# Altium PCB Version_2.PcbDoc (part 2 of 6)
Units mil, origin at the board's own origin, x right, y up, seen from the top; angles counter-clockwise.
Board outline 6692.91 x 6692.91 mil, 4 copper layers (Component Side, Ground Plane, Power, Solder Side), stack 33.234 mil thick; 798 components, 528 nets, 2533 pads, 836 vias.
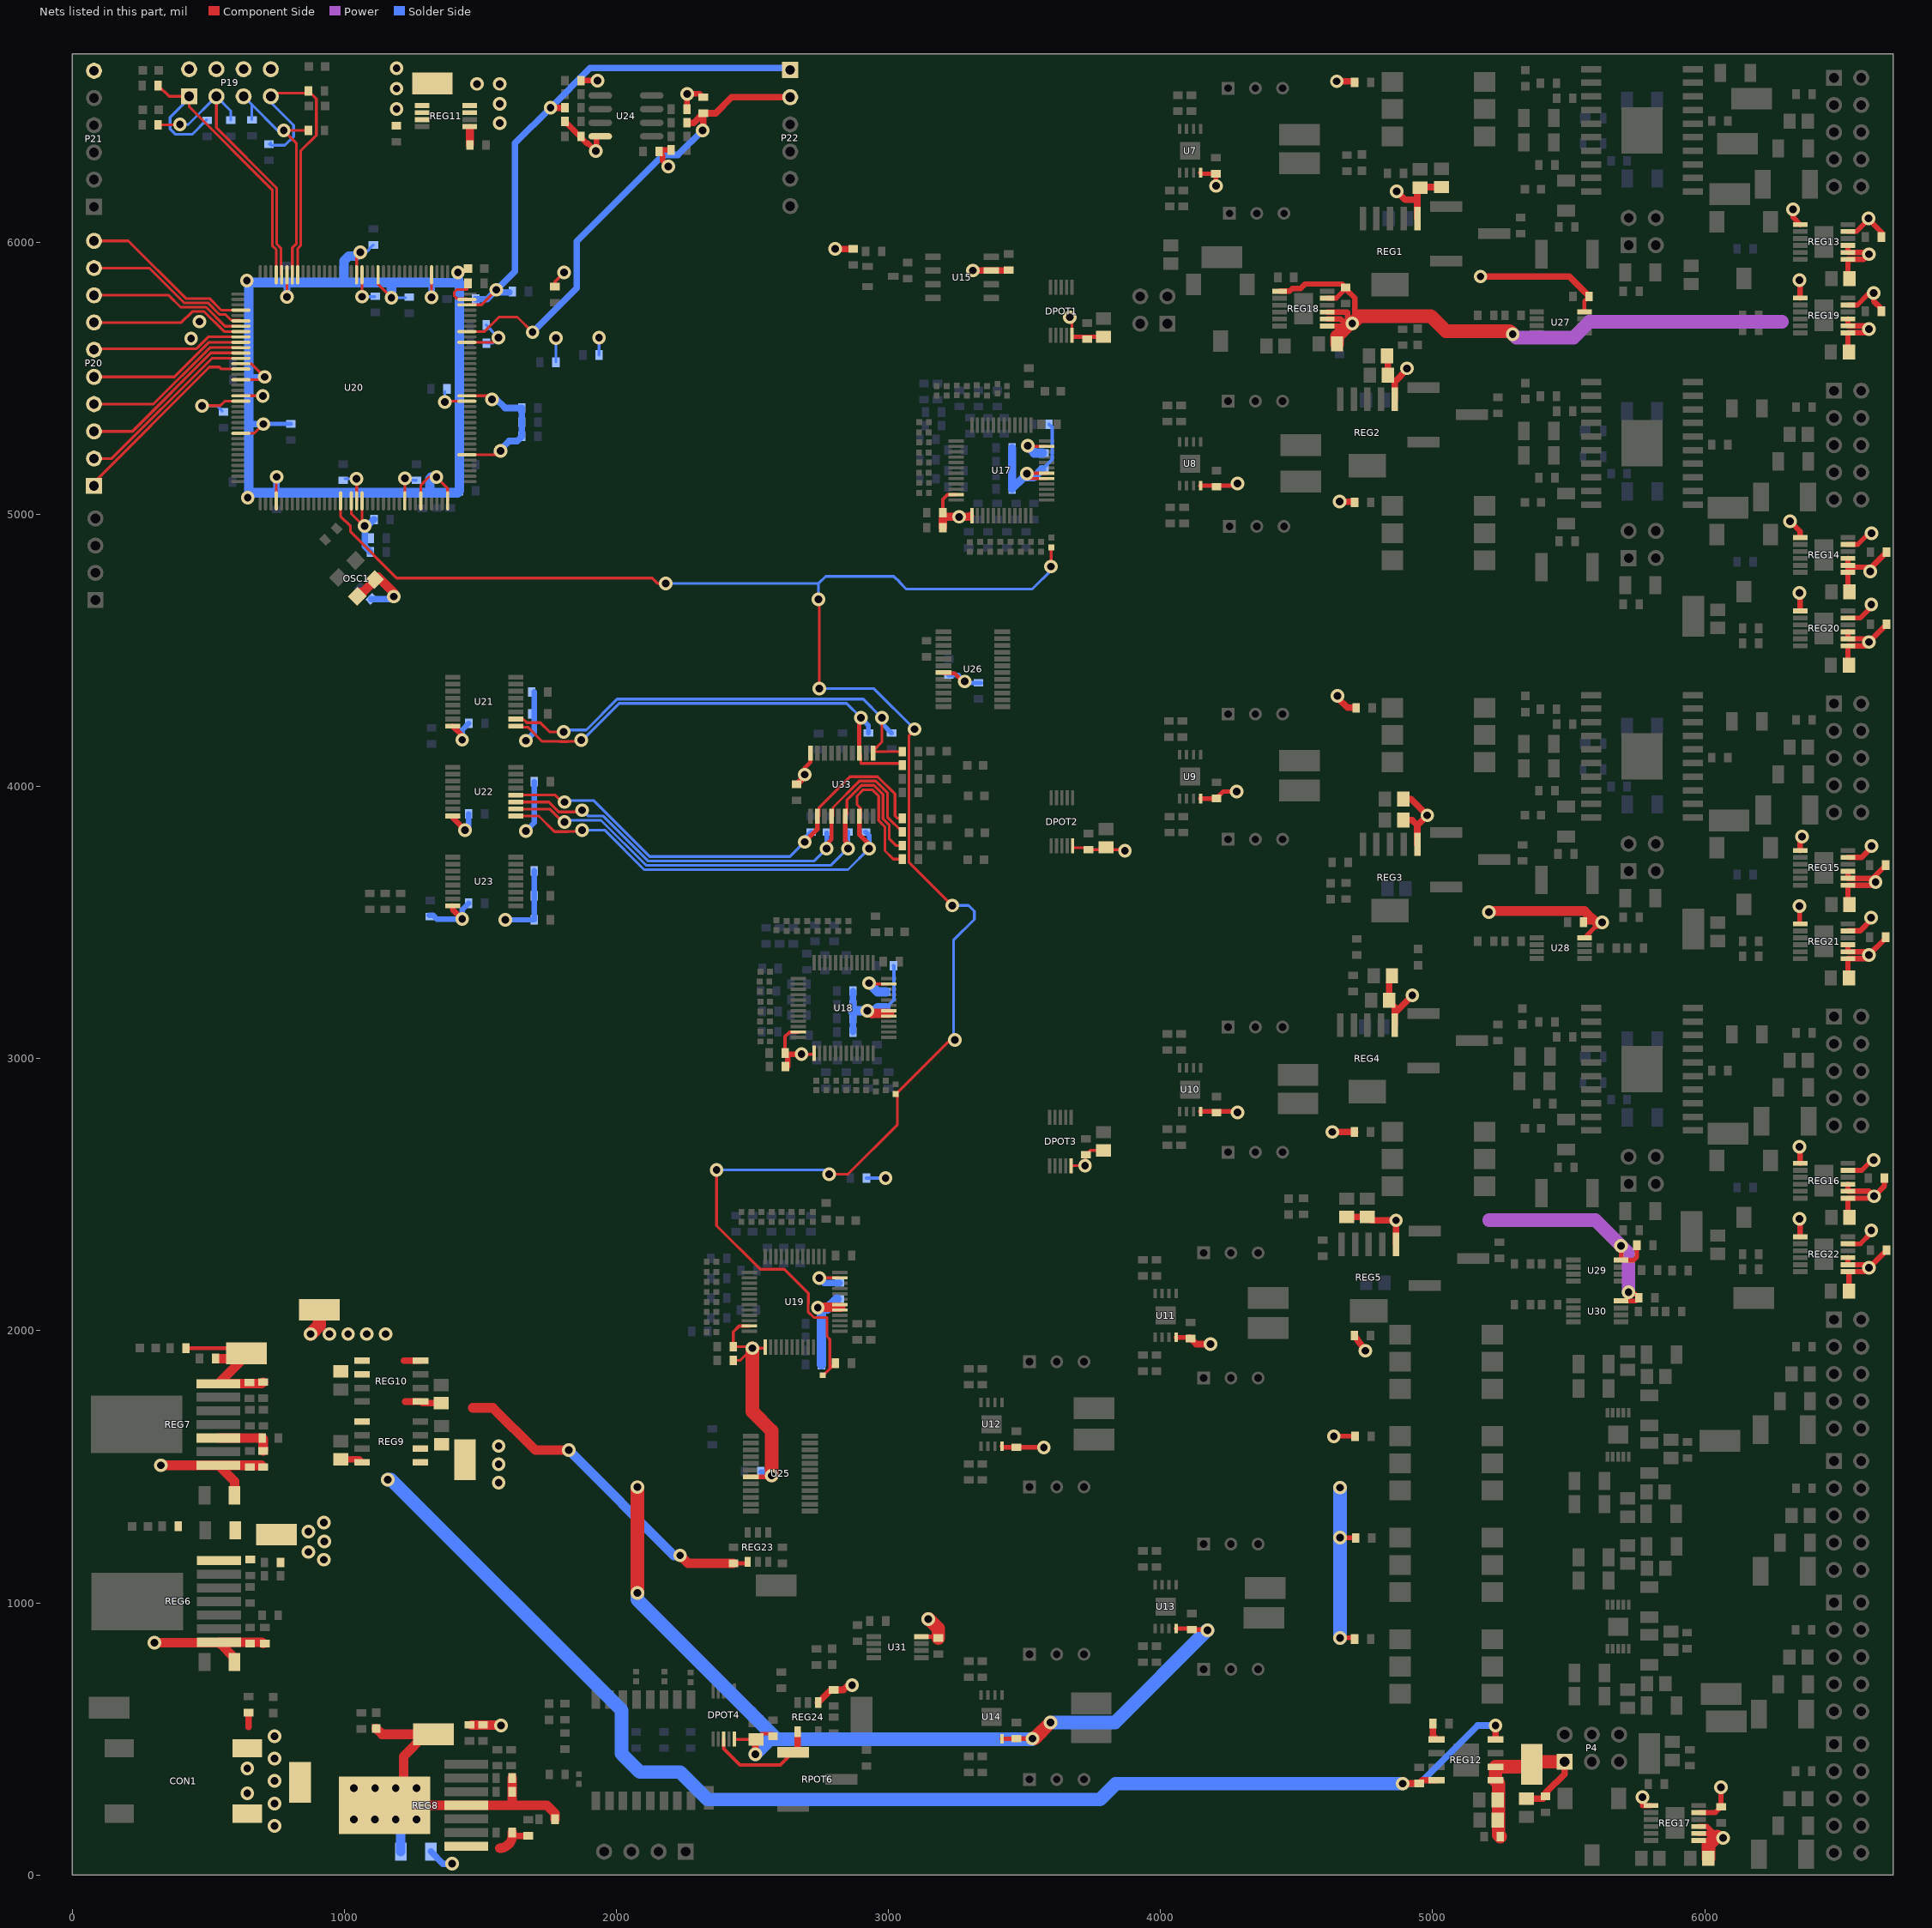
[diagram p4: the nets of this part, all layers, seen from the top]

## Footprints (in the part's own frame and the unit in brackets; to place one, negate y for a bottom-side part, rotate by r counter-clockwise, add the part's x,y. Pads: shape width x height; smd on the part's side, far side on the other; paste and mask are expansions set on the pad) (continued)
LMZ14203_NDW [mm]
  rect 4.1x0.85 smd: 1(-7.625,3.81) 2(-7.625,2.54) 3(-7.625,1.27) 4(-7.625,0) 5(-7.625,-1.27) 6(-7.625,-2.54) 7(-7.625,-3.81)
  rect 8.54x5.35 smd: 8(0,0)
  silkscreen extent -7.75,-5.2 5.17,5.2, body extent -5.05,-5.2 5.05,5.2, height 4.82
LP3879_SOIC8 [mm]
  rect 1.5x0.6 smd: 1(-2.75,1.905) 2(-2.75,0.635) 3(-2.75,-0.635) 4(-2.75,-1.905) 5(2.75,-1.905) 6(2.75,-0.635) 7(2.75,0.635) 8(2.75,1.905)
  rect 2.41x3.1 smd: 9(0,0)
  silkscreen extent -2.87,-2.5 1.6,2.88, body extent -2,-2.5 2,2.5, height 1.68
LT1790_TSOT6 [mm]
  rect 0.95x0.55 smd: 1(-1.375,0.95) 2(-1.375,0) 3(-1.375,-0.95) 4(1.375,-0.95) 5(1.375,0) 6(1.375,0.95)
  silkscreen extent -1.5,-1.45 0.5,1.9, body extent -0.9,-1.45 0.9,1.45, height 1
LT1936A_S8 [mm]
  rect 1.45x0.6 smd: 1(-2.725,1.905) 2(-2.725,0.635) 3(-2.725,-0.635) 4(-2.725,-1.905) 5(2.725,-1.905) 6(2.725,-0.635) 7(2.725,0.635) 8(2.725,1.905)
  silkscreen extent -2.85,-2.5 1.6,2.88, body extent -2,-2.5 2,2.5, height 1.76
LT3020_MS8 [mm]
  rect 1.35x0.475 smd: 1(-2.225,0.975) 2(-2.225,0.325) 3(-2.225,-0.325) 4(-2.225,-0.975) 5(2.225,-0.975) 6(2.225,-0.325) 7(2.225,0.325) 8(2.225,0.975)
  silkscreen extent -2.35,-1.55 1.15,1.9, body extent -1.55,-1.55 1.55,1.55, height 1.1
LT3090_MSOP12 [mm]
  rect 1.35x0.46 smd: 1(-2.225,1.625) 2(-2.225,0.975) 3(-2.225,0.325) 4(-2.225,-0.325) 5(-2.225,-0.975) 6(-2.225,-1.625) 7(2.225,-1.625) 8(2.225,-0.975) 9(2.225,-0.325) 10(2.225,0.325) 11(2.225,0.975) 12(2.225,1.625)
  rect 1.76x2.95 smd: 13(0,0)
  silkscreen extent -2.35,-2.05 1.15,2.55, body extent -1.55,-2.05 1.55,2.05, height 1.1
LTC6269_MSOP8 [mil] "MSOP, 8-Leads, Body 3.00x3.00mm, Pitch 0.65mm, Thermal Pad 1.88x1.68mm, IPC Medium Density"
  rect 35x12.5 smd: 1(-80.49,38.39) 2(-80.49,12.8) 3(-80.49,-12.8) 4(-80.49,-38.39) 5(80.49,-38.39) 6(80.49,-12.8) 7(80.49,12.8) 8(80.49,38.39)
  rect 66.14x74.02 smd: 9(0,0)
  silkscreen extent -85,-59 45,73, body extent -59,-59 59,59, height 43
MAX11625_24SSOP [mm]
  rect 1.5x0.45 smd: 1(-2.75,3.492) 2(-2.75,2.857) 3(-2.75,2.222) 4(-2.75,1.587) 5(-2.75,0.952) 6(-2.75,0.317) 7(-2.75,-0.318) 8(-2.75,-0.953) 9(-2.75,-1.588) 10(-2.75,-2.223) 11(-2.75,-2.858) 12(-2.75,-3.493) 13(2.75,-3.493) 14(2.75,-2.858) 15(2.75,-2.223) 16(2.75,-1.588) 17(2.75,-0.953) 18(2.75,-0.318) 19(2.75,0.317) 20(2.75,0.952) 21(2.75,1.587) 22(2.75,2.222) 23(2.75,2.857) 24(2.75,3.492)
  silkscreen extent -2.88,-4.35 1.6,4.39, body extent -2,-4.35 2,4.35, height 1.75
MC74HC595A_TSSOP16 [mm]
  rect 1.4x0.45 smd: 1(-2.95,2.275) 2(-2.95,1.625) 3(-2.95,0.975) 4(-2.95,0.325) 5(-2.95,-0.325) 6(-2.95,-0.975) 7(-2.95,-1.625) 8(-2.95,-2.275) 9(2.95,-2.275) 10(2.95,-1.625) 11(2.95,-0.975) 12(2.95,-0.325) 13(2.95,0.325) 14(2.95,0.975) 15(2.95,1.625) 16(2.95,2.275)
  silkscreen extent -3.08,-2.55 1.85,3.17, body extent -2.25,-2.55 2.25,2.55, height 1.2
MIC4468_SOIC16 [mm]
  rect 1.75x0.8 smd: 1(-4.725,4.445) 2(-4.725,3.175) 3(-4.725,1.905) 4(-4.725,0.635) 5(-4.725,-0.635) 6(-4.725,-1.905) 7(-4.725,-3.175) 8(-4.725,-4.445) 9(4.725,-4.445) 10(4.725,-3.175) 11(4.725,-1.905) 12(4.725,-0.635) 13(4.725,0.635) 14(4.725,1.905) 15(4.725,3.175) 16(4.725,4.445)
  silkscreen extent -4.85,-5.2 3.45,5.52, body extent -3.75,-5.2 3.75,5.2, height 2.62
MIC5235_SOT23_5 [mm]
  rect 1x0.6 smd: 1(-1.35,0.95) 2(-1.35,0) 3(-1.35,-0.95) 4(1.35,-0.95) 5(1.35,0.95)
  silkscreen extent -1.47,-1.5 0.45,1.93, body extent -0.85,-1.5 0.85,1.5, height 1.45
MIC7122_MSOP8 [mm]
  rect 1.35x0.487 smd: 1(-2.225,0.975) 2(-2.225,0.325) 3(-2.225,-0.325) 4(-2.225,-0.975) 5(2.225,-0.975) 6(2.225,-0.325) 7(2.225,0.325) 8(2.225,0.975)
  silkscreen extent -2.35,-1.55 1.15,1.9, body extent -1.55,-1.55 1.55,1.55, height 0.9
MICT-MN-8_N [mm] "SOIC, 8-Leads, Body 5x4mm, Pitch 1.27mm, IPC Medium Density"
  oval 2.2x0.6 smd: 1(-2.4,1.905) 2(-2.4,0.635) 3(-2.4,-0.635) 4(-2.4,-1.905) 5(2.4,-1.905) 6(2.4,-0.635) 7(2.4,0.635) 8(2.4,1.905)
  silkscreen extent -2.53,-2.5 0.9,2.88, body extent -2,-2.5 2,2.5, height 0.1
OP193_SOIC8 [mm]
  rect 1.45x0.6 smd: 1(-2.725,1.905) 2(-2.725,0.635) 3(-2.725,-0.635) 4(-2.725,-1.905) 5(2.725,-1.905) 6(2.725,-0.635) 7(2.725,0.635) 8(2.725,1.905)
  silkscreen extent -2.85,-2.5 1.6,2.88, body extent -2,-2.5 2,2.5, height 1.75
OPA564_HSOP20_BOTTOM [mm] "SOIC, 20-Leads, Body 12.82x7.52mm, Pitch 1.27mm, Thermal Pad 4.32x3.81mm, IPC Medium Density"
  rect 1.9x0.6 smd: 1(-4.75,5.715) 2(-4.75,4.445) 3(-4.75,3.175) 4(-4.75,1.905) 5(-4.75,0.635) 6(-4.75,-0.635) 7(-4.75,-1.905) 8(-4.75,-3.175) 9(-4.75,-4.445) 10(-4.75,-5.715) 11(4.75,-5.715) 12(4.75,-4.445) 13(4.75,-3.175) 14(4.75,-1.905) 15(4.75,-0.635) 16(4.75,0.635) 17(4.75,1.905) 18(4.75,3.175) 19(4.75,4.445) 20(4.75,5.715)
  rect 3.81x4.32 smd: 21(0,0)
  silkscreen extent -4.87,-6.5 3.4,6.69, body extent -3.8,-6.5 3.8,6.5, height 2.65
POT_ST5ETW [mm]
  rect 1.4x2 smd: 1(-2.5,-2.65) 2(0,2.65) 3(2.5,-2.65)
  silkscreen extent -3.66,-2.3 3.15,2.3
R0402 [mm]
  rect 0.55x0.55 smd: 1(-0.45,0) 2(0.45,0)
  body extent -0.53,-0.27 0.53,0.28, height 0.37
RES_0805 [mm]
  rect 1.15x1.4 smd: 1(-0.85,0) 2(0.85,0)
  body extent -1.08,-0.7 1.07,0.7, height 0.65
RES_1206 [mm] "Chip Resistor, 2-Leads, Body 3.10x1.60mm, IPC Medium Density"
  rect 1.1x1.7 smd: 1(-1.4,0) 2(1.4,0)
  silkscreen extent -0.45,-0.75 0.45,0.75, body extent -1.6,-0.85 1.6,0.85, height 0.65
RES_2010 [mm] "Chip Resistor, Body 1.6x0.8mm, IPC High Density"
  rect 1.5x2.7 smd: 1(-2.2,0) 2(2.2,0)
  silkscreen extent -1.05,-1.25 1.05,1.25, body extent -2.6,-1.35 2.6,1.35, height 0.7
SMS3922_SOT143 [mm] "SOT143, 4-Leads, Body 2.92x2.37mm, Pitch 1.90mm, IPC Medium Density"
  rect 1x1 smd: 1(-1.2,0.75)
  rect 1x0.6 smd: 2(-1.2,-0.95) 3(1.2,-0.95) 4(1.2,0.95)
  silkscreen extent -1.25,-1.5 0.7,1.6, body extent -0.7,-1.52 0.7,1.52, height 1.2
SN74LV244A_TSOP20 [mm]
  rect 1.4x0.45 smd: 1(-2.95,2.925) 2(-2.95,2.275) 3(-2.95,1.625) 4(-2.95,0.975) 5(-2.95,0.325) 6(-2.95,-0.325) 7(-2.95,-0.975) 8(-2.95,-1.625) 9(-2.95,-2.275) 10(-2.95,-2.925) 11(2.95,-2.925) 12(2.95,-2.275) 13(2.95,-1.625) 14(2.95,-0.975) 15(2.95,-0.325) 16(2.95,0.325) 17(2.95,0.975) 18(2.95,1.625) 19(2.95,2.275) 20(2.95,2.925)
  silkscreen extent -3.07,-3.3 1.85,3.82, body extent -2.25,-3.3 2.25,3.3, height 1.2
TestPoint [mm]
  rect 3.8x2.03 smd: 1(0,0.025)
THS4226_10SOP [mil] "TSSOP, 10-Leads, Body 3.00x3.00mm, Pitch 0.50mm, Thermal Pad 1.88x1.68mm, IPC Medium Density"
  rect 35x13.6 smd: 1(-80.49,39.37) 2(-80.49,19.69) 3(-80.49,0) 4(-80.49,-19.68) 5(-80.49,-39.37) 6(80.49,-39.37) 7(80.49,-19.68) 8(80.49,0) 9(80.49,19.69) 10(80.49,39.37)
  rect 66.14x74.02 smd: 11(0,0)
  silkscreen extent -85,-59 45,74, body extent -61,-61 61,61, height 43
TPS73801_DCQ6 [mm]
  rect 0.6x2.2 smd: 1(-2.54,-2.959) 2(-1.27,-2.959) 3(0,-2.959) 4(1.27,-2.959) 5(2.54,-2.959)
  rect 3.5x2.2 smd: 6(0,3.241)
  silkscreen extent -3.28,-1.78 3.28,1.78
TQG144_N [mm] "Thin QFP, 144-Leads, Body 20x20mm, Pitch 0.5mm, IPC Medium Density"
  oval 1.8x0.3 smd: 1(-10.55,8.75) 2(-10.55,8.25) 3(-10.55,7.75) 4(-10.55,7.25) 5(-10.55,6.75) 6(-10.55,6.25) 7(-10.55,5.75) 8(-10.55,5.25) 9(-10.55,4.75) 10(-10.55,4.25) 11(-10.55,3.75) 12(-10.55,3.25) 13(-10.55,2.75) 14(-10.55,2.25) 15(-10.55,1.75) 16(-10.55,1.25) 17(-10.55,0.75) 18(-10.55,0.25) 19(-10.55,-0.25) 20(-10.55,-0.75) 21(-10.55,-1.25) 22(-10.55,-1.75) 23(-10.55,-2.25) 24(-10.55,-2.75) 25(-10.55,-3.25) 26(-10.55,-3.75) 27(-10.55,-4.25) 28(-10.55,-4.75) 29(-10.55,-5.25) 30(-10.55,-5.75) 31(-10.55,-6.25) 32(-10.55,-6.75) 33(-10.55,-7.25) 34(-10.55,-7.75) 35(-10.55,-8.25) 36(-10.55,-8.75) 73(10.55,-8.75) 74(10.55,-8.25) 75(10.55,-7.75) 76(10.55,-7.25) 77(10.55,-6.75) 78(10.55,-6.25) 79(10.55,-5.75) 80(10.55,-5.25) 81(10.55,-4.75) 82(10.55,-4.25) 83(10.55,-3.75) 84(10.55,-3.25) 85(10.55,-2.75) 86(10.55,-2.25) 87(10.55,-1.75) 88(10.55,-1.25) 89(10.55,-0.75) 90(10.55,-0.25) 91(10.55,0.25) 92(10.55,0.75) 93(10.55,1.25) 94(10.55,1.75) 95(10.55,2.25) 96(10.55,2.75) 97(10.55,3.25) 98(10.55,3.75) 99(10.55,4.25) 100(10.55,4.75) 101(10.55,5.25) 102(10.55,5.75) 103(10.55,6.25) 104(10.55,6.75) 105(10.55,7.25) 106(10.55,7.75) 107(10.55,8.25) 108(10.55,8.75)
  oval 0.3x1.8 smd: 37(-8.75,-10.55) 38(-8.25,-10.55) 39(-7.75,-10.55) 40(-7.25,-10.55) 41(-6.75,-10.55) 42(-6.25,-10.55) 43(-5.75,-10.55) 44(-5.25,-10.55) 45(-4.75,-10.55) 46(-4.25,-10.55) 47(-3.75,-10.55) 48(-3.25,-10.55) 49(-2.75,-10.55) 50(-2.25,-10.55) 51(-1.75,-10.55) 52(-1.25,-10.55) 53(-0.75,-10.55) 54(-0.25,-10.55) 55(0.25,-10.55) 56(0.75,-10.55) 57(1.25,-10.55) 58(1.75,-10.55) 59(2.25,-10.55) 60(2.75,-10.55) 61(3.25,-10.55) 62(3.75,-10.55) 63(4.25,-10.55) 64(4.75,-10.55) 65(5.25,-10.55) 66(5.75,-10.55) 67(6.25,-10.55) 68(6.75,-10.55) 69(7.25,-10.55) 70(7.75,-10.55) 71(8.25,-10.55) 72(8.75,-10.55) 109(8.75,10.55) 110(8.25,10.55) 111(7.75,10.55) 112(7.25,10.55) 113(6.75,10.55) 114(6.25,10.55) 115(5.75,10.55) 116(5.25,10.55) 117(4.75,10.55) 118(4.25,10.55) 119(3.75,10.55) 120(3.25,10.55) 121(2.75,10.55) 122(2.25,10.55) 123(1.75,10.55) 124(1.25,10.55) 125(0.75,10.55) 126(0.25,10.55) 127(-0.25,10.55) 128(-0.75,10.55) 129(-1.25,10.55) 130(-1.75,10.55) 131(-2.25,10.55) 132(-2.75,10.55) 133(-3.25,10.55) 134(-3.75,10.55) 135(-4.25,10.55) 136(-4.75,10.55) 137(-5.25,10.55) 138(-5.75,10.55) 139(-6.25,10.55) 140(-6.75,10.55) 141(-7.25,10.55) 142(-7.75,10.55) 143(-8.25,10.55) 144(-8.75,10.55)
  silkscreen extent -10.67,-9.25 9.25,9.57, body extent -10,-10 10,10, height 1.6
TS63Y_POT [mm]
  rect 3x1 smd: 1(2.25,-2.54) 2(-2.25,0) 3(2.25,2.54)
  silkscreen extent -2.5,-3.42 2.5,3.43
VR5 [mm] "Thru-Hole; 3 Leads"
  rect 1.2x1.2 hole 0.7: 1(-2.54,0)
  round 1.2 hole 0.7: 2(0,0) 3(2.54,0)
  silkscreen extent -5.08,-2.54 6.35,2.54
ZM4732A [mm]
  rect 1.15x2.65 smd: 1(-2.375,0) 2(2.375,0)
  silkscreen extent -1.4,-1.35 1.63,1.37, body extent -2.6,-1.3 2.6,1.3, height 2.6

## Part data
C1 C2 C3 C4 C5 C6 C7 C8 C9 C10 C11 C12 C13 C14 C15 C16 C17 C18 C19 C20 C21 C22 C23 C24 C25 C26 C27 C28 C29 C30 C31 C32 C33 C34 C35 C36 C37 C40 C41 C42 C43 C44 C45 C46 C47 C48 C49: library part "Cap Semi", "Capacitor (Semiconductor SIM Model)"
C38 C39 C50 C64 C65 C66 C67 C68 C69 C70 C71 C72 C73 C74 C75 C76 C77 C78 C79 C80 C82 C83 C84 C85 C86 C87 C88 C89 C90 C91 C92 C93 C94 C95 C96 C97 C98 C99 C100 C101 C102 C103 C104 C105 C106 C107 C108 C109 C110 C111 C112 C113 C114 C115 C116 C117 C118 C119 C120 C121 C122 C123 C124 C125 C126 C127 C128 C129 C130 C131 C132 C133 C134 C135 C136 C137 C138 C139 C140 C141 C142 C143 C144 C145 C146 C147 C151 C153 C154 C155 C156 C157 C158 C168 C169 C170: "Capacitor"
C51 C52 C53 C54 C55 C56 C57 C58 C59 C60 C61 C62 C63 C81 C148 C149 C150 C152 C159 C160 C161 C162 C163 C164 C165 C166 C167: "Capacitor (Semiconductor SIM Model)"
P4: "Header, 3-Pin, Dual row"
P5 P6 P7 P8 P17: "Header, 2-Pin, Dual row"
P9 P10 P11 P12 P13 P14 P15 P16: "Header, 5-Pin, Dual row"
P18 P23: library part "Header 4", "Header, 4-Pin"
P19: library part "Header 4X2", "Header, 4-Pin, Dual row"
P20: library part "Header 10", "Header, 10-Pin"
P21 P22: library part "Header 6", "Header, 6-Pin"
R1 R2 R3 R4 R5 R6 R7 R8 R9 R10 R11 R12 R13 R14 R15 R16 R17 R18 R19 R20 R21 R22 R23 R24 R25 R26 R27 R28 R29 R30 R31 R32 R33 R34 R35 R36 R37 R38 R39 R40 R41 R42 R43 R44 R45 R46 R47 R48 R49 R50 R51 R52 R53 R54 R55 R56 R57 R58 R59 R60 R61 R62 R63 R64 R65 R66 R67 R68 R69 R70 R71 R72 R73 R74 R75 R76 R77 R78 R79 R80 R81 R82 R83 R84 R85 R86 R87 R88 R89 R90 R91 R92 R93 R94 R95 R96 R97 R102 R103 R104 R105 R106 R107 R108 R109 R114 R115 R116 R117 R118 R119 R120 R121 R126 R127 R128 R129 R130 R131 R132 R133 R138 R139 R140 R141 R142 R143 R144 R145 R146 R147 R148 R149 R150 R151 R152 R153 R154 R155 R156 R157 R158 R159 R160 R161 R162 R163 R164 R165 R166 R167 R168 R169 R170 R171 R172 R173 R174 R175 R176 R177 R178 R179 R180 R181 R182 R183 R184 R185 R186 R187 R188 R189 R190 R191 R192 R193 R194 R195 R196 R197 R198 R199 R200 R201 R202 R203 R204 R205 R206 R207 R208 R209 R210 R211 R212 R213 R214 R215 R216 R217 R218 R219 R220 R221 R222 R223 R224 R225 R226 R227 R228 R229 R230 R231 R232 R233 R234 R235 R236 R237 R238 R239 R240 R241 R242 R243 R244 R245 R246 R247 R248 R249 R250 R251 R252 R253 R254 R255 R256 R257 R258 R259 R260 R261 R262 R263 R264 R265 R266 R267 R268 R269 R270 R271 R272 R274 R275 R276 R277 R278 R279 R280 R281 R282 R283 R284 R285 R286 R287 R288 R289 R290 R291 R292 R293 R294 R295 R296 R297 R298 R299 R300 R301 R302 R303 R304 R305 R306 R307 R308 R309 R310 R311 R312 R313 R314 R315 R316 R317 R318 R319 R320 R321 R322 R323 R324 R325 R326 R327 R328 R329 R330 R331 R332 R333 R334 R335 R336 R337 R338 R339 R340 R341 R342 R343 R344 R345 R346 R347 R348 R349 R350 R351 R352 R353 R354 R355 R356 R357 R358 R359 R360 R361 R362 R363 R364 R365 R366 R367 R368 R369 R371 R373 R375 R376 R377 R378 R379 R380 R381 R382 R383 R384 R385 R386 R387 R388 R389 R390 R391 R392 R393 R394 R395 R396 R397 R398 R399 R400 R401 R402 R403 R404 R405 R406 R407 R408 R409 R410 R411 R412 R413 R414 R415 R416 R417 R418 R419 R420 R421 R422 R423 R424 R425 R426 R427 R428 R429 R430 R431 R432 R433 R434 R435 R436 R437 R438 R439 R440 R441 R442 R443 R444: "Resistor"
R98 R99 R100 R101 R110 R111 R112 R113 R122 R123 R124 R125 R134 R135 R136 R137: "Potentiometer"
U20: "Spartan-6 LX 1.2V FPGA, 102 User I/Os, 144-Pin TQFP (0.5mm Pitch), Speed Grade 3, Commercial Grade, Pb-Free"
U24: "16 Mb (x1) Serial NOR Flash Memory, 75 MHz, 2.7 to 3.6 V, 8-pin SO8 Narrow (MN), Tube"

## Via types
v1: diameter 50, hole 28, Component Side to Solder Side, 831 vias
v2: diameter 50/50/50 (per signal layer), hole 28, Component Side to Solder Side, 4 vias
v3: diameter 37.4, hole 19.68, Component Side to Solder Side, 1 vias

## Nets (pads, with @x,y where several pads share a name; then routed paths per layer and width w, separated by ;. In a path a pad name is that pad's centre, name@x,y a point inside that pad or via, vN(x,y) a via of type N, cw(c..) or ccw(c..) an arc to the next point about the centre after c; other vN are vias at no path point)
5V: C101.1 C104.1 C107.1 C109.1 C113.1 C140.1 R323.1 R325.2 REG7.7 REG9.5 REG9.8 REG10.5 REG10.8 REG12.4 REG12.8 REG23.4 TP5.1 | length 7068
  Component Side w15: R323.1@418.31,1936.03 TP5.1@621.06,1936.03 ; C140.1@2430.24,1145.45 REG23.4@2477.44,1145.45
  Component Side w24: C107.1@987.36,1527.14 1054.25,1527.14 REG9.8@1065.08,1516.32 ; 1219.69,1889.54 REG10.8@1280.32,1889.54 ; 1223.07,1739.54 REG10.5@1280.32,1739.54 ; REG10.5@1286.42,1733.44 C109.1@1356.38,1733.44 ; v1(4889.76,335.63) 4890.57,336.43 C113.1@4950.24,336.43 4961.46,347.65 REG12.4@5014.61,347.65 ; REG12.8@5231.14,497.65 v1(5231.14,549.06)
  Component Side w35: 540.35,1896.65 TP5.1@619.09,1896.65 ; TP5.1@639.76,1917.32 639.76,1907.87 REG7.7@537.4,1805.51 696.26,1805.51 R325.2@701.77,1811.02 ; 1472.44,1716.54 1546.26,1716.54 1701.77,1561.02 1826.77,1561.02 v1@1826.7,1561.1 ; v1(1824.89,1561.1) v1@1826.7,1561.1 ; v1@1830.84,1561.1 v1@1826.7,1561.1 ; v1(2234.25,1174.21) 2263.01,1145.45 C140.1@2430.24,1145.45
  Solder Side w24: v1(4889.76,335.63) 4951.85,335.63 5165.28,549.06 v1(5231.14,549.06)
  Solder Side w35: v1(1824.89,1561.1) 2211.78,1174.21 v1(2234.25,1174.21)
  Solder Side w50: v1(1159.45,1452.76) 1171.29,1452.76 2019.41,604.63 2019.41,446.04 2024.12,441.33 2024.12,439.92 2086.08,377.95 2234.25,377.95 2334.86,277.34 3777.34,277.34 3835.63,335.63 v1(4889.76,335.63)
15V: C1.2 C2.2 C4.2 C5.2 C7.2 C8.2 C10.2 C11.2 C13.2 C14.2 C100.1 C103.1 C142.1 C143.1 C144.1 C145.1 C146.1 C147.1 R316.1 R324.2 REG1.1 REG2.1 REG3.1 REG4.1 REG5.1 REG6.7 REG24.1 TP4.1 U27.8 U28.8 U29.8 U30.8 U31.8 | length 3672.5
  Component Side w15: U27.8@5557.84,5744.35 5557.84,5784.03 C146.1@5574.77,5800.96
  Component Side w17: U31.8@3121.22,875.67 C145.1@3178.46,875.67 ; U28.8@5557.84,3444.35 5605.32,3491.83 v1@5605.32,3495.08 ; C142.1@5560.65,3495.08 5566.55,3500.98 v1(5623.03,3500.98) ; U30.8@5692.84,2109.35 5746.16,2109.35 C144.1@5757.87,2121.06 5722.59,2156.35 5719.77,2153.53 v1(5719.77,2141.84) ; v1(5692.84,2311.93) U29.8@5692.84,2259.35 5739.1,2259.35 5750.71,2270.96 C143.1@5750.71,2313.7
  Component Side w24: REG24.1@2741.14,632.87 C147.1@2788.39,680.12 ; C147.1@2798.23,680.12 2834.65,680.12 2852.4,697.87 v1(2866.28,697.87) ; C14.2@4684.06,2418.31 C13.2@4759.84,2418.31 4772.56,2405.59 v1(4865.24,2405.59) REG5.1@4865.24,2317.46 ; C5.2@4835.63,5576.77 C4.2@4835.63,5510.83 4860.24,5486.22 ; C10.2@4840.55,3280.51 4840.55,3208.66 4860.24,3188.97 4860.24,3167.32 ; REG4.1@4860.24,3122.46 4860.24,3167.32 ; REG2.1@4860.24,5422.46 4860.24,5486.22 ; v1(4868.11,6187.01) 4898.62,6156.5 4943.55,6156.5 ; C7.2@4891.73,3875.98 4924.49,3875.98 4943.55,3856.93 ; C8.2@4891.73,3953.74 4920.28,3953.74 v1(4980.32,3893.7) 4943.55,3856.93 ; v1(4905.51,5536.42) 4905.51,5531.49 4860.24,5486.22 ; v1(4925.2,3232.28) 4860.24,3167.32 ; REG3.1@4943.55,3787.46 4943.55,3856.93 ; REG1.1@4943.55,6087.46 4943.55,6156.5 ; C2.2@5032.48,6202.76 4955.71,6202.76 C1.2@4953.74,6200.79 4943.55,6190.59 4943.55,6156.5 ; v1(5176.18,5874.02) 5501.71,5874.02 C146.1@5574.77,5800.96
  Component Side w35: v1@5210.49,3542.18 5558.22,3542.18 v1@5605.32,3495.08
  Component Side w50: v1(3145.82,940.01) 3148.58,940.01 3183.07,905.51 C145.1@3183.07,871.06
  Power w50: 5207.68,2406.5 5598.27,2406.5 v1(5692.84,2311.93) 5719.77,2285 v1(5719.77,2141.84)
  other v1: 925.28,1158.46 868.11,1187.01 926.26,1225.39 868.11,1261.81 925.28,1295.28 5206.69,3538.39
24V: C94.2 C95.2 C96.2 CON1.1 R312.1 R313.1 R314.1 R315.1 R317.1 R319.1 R321.1 REG6.1 REG7.1 REG8.1 TP1.1 | length 5889.7
  Component Side w24: 648.23,543.9 R312.1@648.23,596.43 ; R315.1@1618.49,143.7 R321.1@1676.18,143.7
  Component Side w35: v1(302.17,853.35) 535.83,853.35 REG6.1@536.81,852.36 ; v1(325.39,1505.51) REG7.1@537.4,1505.51 ; C95.2@596.46,1394.68 596.46,1446.46 REG7.1@537.4,1505.51 ; C94.2@598.43,795.87 REG6.1@539.37,854.92 697.24,854.92 R317.1@701.77,850.39 ; R319.1@695.28,1505.51 REG7.1@537.4,1505.51 ; R315.1@1617.17,155.96 R315.1@1617.17,145.03 ; 1570.58,98.44 ccw(c1570.58,145.03) R315.1@1617.17,145.03 ; 1570.58,98.44 ccw(c1570.58,145.03) R315.1@1617.17,145.03 ; 1570.58,98.44 ccw(c1570.58,145.03) R315.1@1617.17,145.03 ; 1570.58,98.44 ccw(c1570.58,145.03) R315.1@1617.17,145.03 ; 1570.58,98.44 ccw(c1570.58,145.03) R315.1@1617.17,145.03 ; 1570.58,98.44 ccw(c1570.58,145.03) R315.1@1617.17,145.03 ; 1570.58,98.44 ccw(c1570.58,145.03) R315.1@1617.17,145.03 ; 1570.58,98.44 ccw(c1570.58,145.03) R315.1@1617.17,145.03 ; 1570.58,98.44 ccw(c1570.58,145.03) R315.1@1617.17,145.03 ; 1570.58,98.44 ccw(c1570.58,145.03) R315.1@1617.17,145.03 ; 1570.58,98.44 ccw(c1570.58,145.03) R315.1@1617.17,145.03 ; 1570.58,98.44 ccw(c1570.58,145.03) R315.1@1617.17,145.03 ; 1570.58,98.44 ccw(c1570.58,145.03) R315.1@1617.17,145.03 ; 1570.58,98.44 ccw(c1570.58,145.03) R315.1@1617.17,145.03 ; 1570.58,98.44 ccw(c1570.58,145.03) R315.1@1617.17,145.03 ; 1570.58,98.44 ccw(c1570.58,145.03) R315.1@1617.17,145.03 ; 1570.58,98.44 ccw(c1570.58,145.03) R315.1@1617.17,145.03 ; 1570.58,98.44 ccw(c1570.58,145.03) R315.1@1617.17,145.03 ; 1570.58,98.44 ccw(c1570.58,145.03) R315.1@1617.17,145.03 ; 1570.58,98.44 ccw(c1570.58,145.03) R315.1@1617.17,145.03 ; 1570.58,98.44 ccw(c1570.58,145.03) R315.1@1617.17,145.03 ; 1570.58,98.44 ccw(c1570.58,145.03) R315.1@1617.17,145.03 ; 1570.58,98.44 ccw(c1570.58,145.03) R315.1@1617.17,145.03 ; 1570.58,98.44 ccw(c1570.58,145.03) R315.1@1617.17,145.03 ; 1570.58,98.44 ccw(c1570.58,145.03) R315.1@1617.17,145.03 ; 1570.58,98.44 ccw(c1570.58,145.03) R315.1@1617.17,145.03 ; 1570.58,98.44 ccw(c1570.58,145.03) R315.1@1617.17,145.03 ; 1570.58,98.44 ccw(c1570.58,145.03) R315.1@1617.17,145.03 ; 1570.58,98.44 ccw(c1570.58,145.03) R315.1@1617.17,145.03 ; 1570.58,98.44 ccw(c1570.58,145.03) R315.1@1617.17,145.03 ; 1570.58,98.44 ccw(c1570.58,145.03) R315.1@1617.17,145.03 ; 1570.58,98.44 ccw(c1570.58,145.03) R315.1@1617.17,145.03 ; 1570.58,98.44 ccw(c1570.58,145.03) R315.1@1617.17,145.03 ; 1570.58,98.44 ccw(c1570.58,145.03) R315.1@1617.17,145.03 ; 1570.58,98.44 ccw(c1570.58,145.03) R315.1@1617.17,145.03 ; 1570.58,98.44 ccw(c1570.58,145.03) R315.1@1617.17,145.03 ; 1570.58,98.44 ccw(c1570.58,145.03) R315.1@1617.17,145.03 ; 1570.58,98.44 ccw(c1570.58,145.03) R315.1@1617.17,145.03 ; 1570.58,98.44 ccw(c1570.58,145.03) R315.1@1617.17,145.03 ; 1570.58,98.44 ccw(c1570.58,145.03) R315.1@1617.17,145.03 ; 1570.58,98.44 ccw(c1570.58,145.03) R315.1@1617.17,145.03 ; 1570.58,98.44 ccw(c1570.58,145.03) R315.1@1617.17,145.03 ; 1570.58,98.44 ccw(c1570.58,145.03) R315.1@1617.17,145.03 ; 1570.58,98.44 ccw(c1570.58,145.03) R315.1@1617.17,145.03 ; 1570.58,98.44 ccw(c1570.58,145.03) R315.1@1617.17,145.03 ; 1570.58,98.44 ccw(c1570.58,145.03) R315.1@1617.17,145.03 ; 1570.58,98.44 ccw(c1570.58,145.03) R315.1@1617.17,145.03 ; 1570.58,98.44 ccw(c1570.58,145.03) R315.1@1617.17,145.03 ; 1570.58,98.44 ccw(c1570.58,145.03) R315.1@1617.17,145.03 ; 1570.58,98.44 ccw(c1570.58,145.03) R315.1@1617.17,145.03 ; 1570.58,98.44 ccw(c1570.58,145.03) R315.1@1617.17,145.03 ; 1570.58,98.44 ccw(c1570.58,145.03) R315.1@1617.17,145.03 ; 1570.58,98.44 ccw(c1570.58,145.03) R315.1@1617.17,145.03 ; 1570.58,98.44 ccw(c1570.58,145.03) R315.1@1617.17,145.03 ; 1570.58,98.44 ccw(c1570.58,145.03) R315.1@1617.17,145.03 ; 1570.58,98.44 ccw(c1570.58,145.03) R315.1@1617.17,145.03 ; 1570.58,98.44 ccw(c1570.58,145.03) R315.1@1617.17,145.03 ; 1570.58,98.44 ccw(c1570.58,145.03) R315.1@1617.17,145.03 ; 1570.58,98.44 ccw(c1570.58,145.03) R315.1@1617.17,145.03 ; 1570.58,98.44 ccw(c1570.58,145.03) R315.1@1617.17,145.03 ; 1570.58,98.44 ccw(c1570.58,145.03) R315.1@1617.17,145.03 ; 1570.58,98.44 ccw(c1570.58,145.03) R315.1@1617.17,145.03 ; 1570.58,98.44 ccw(c1570.58,145.03) R315.1@1617.17,145.03 ; 1570.58,98.44 ccw(c1570.58,145.03) R315.1@1617.17,145.03